# Allegro board Flatburn-main PCB.brd (continued)
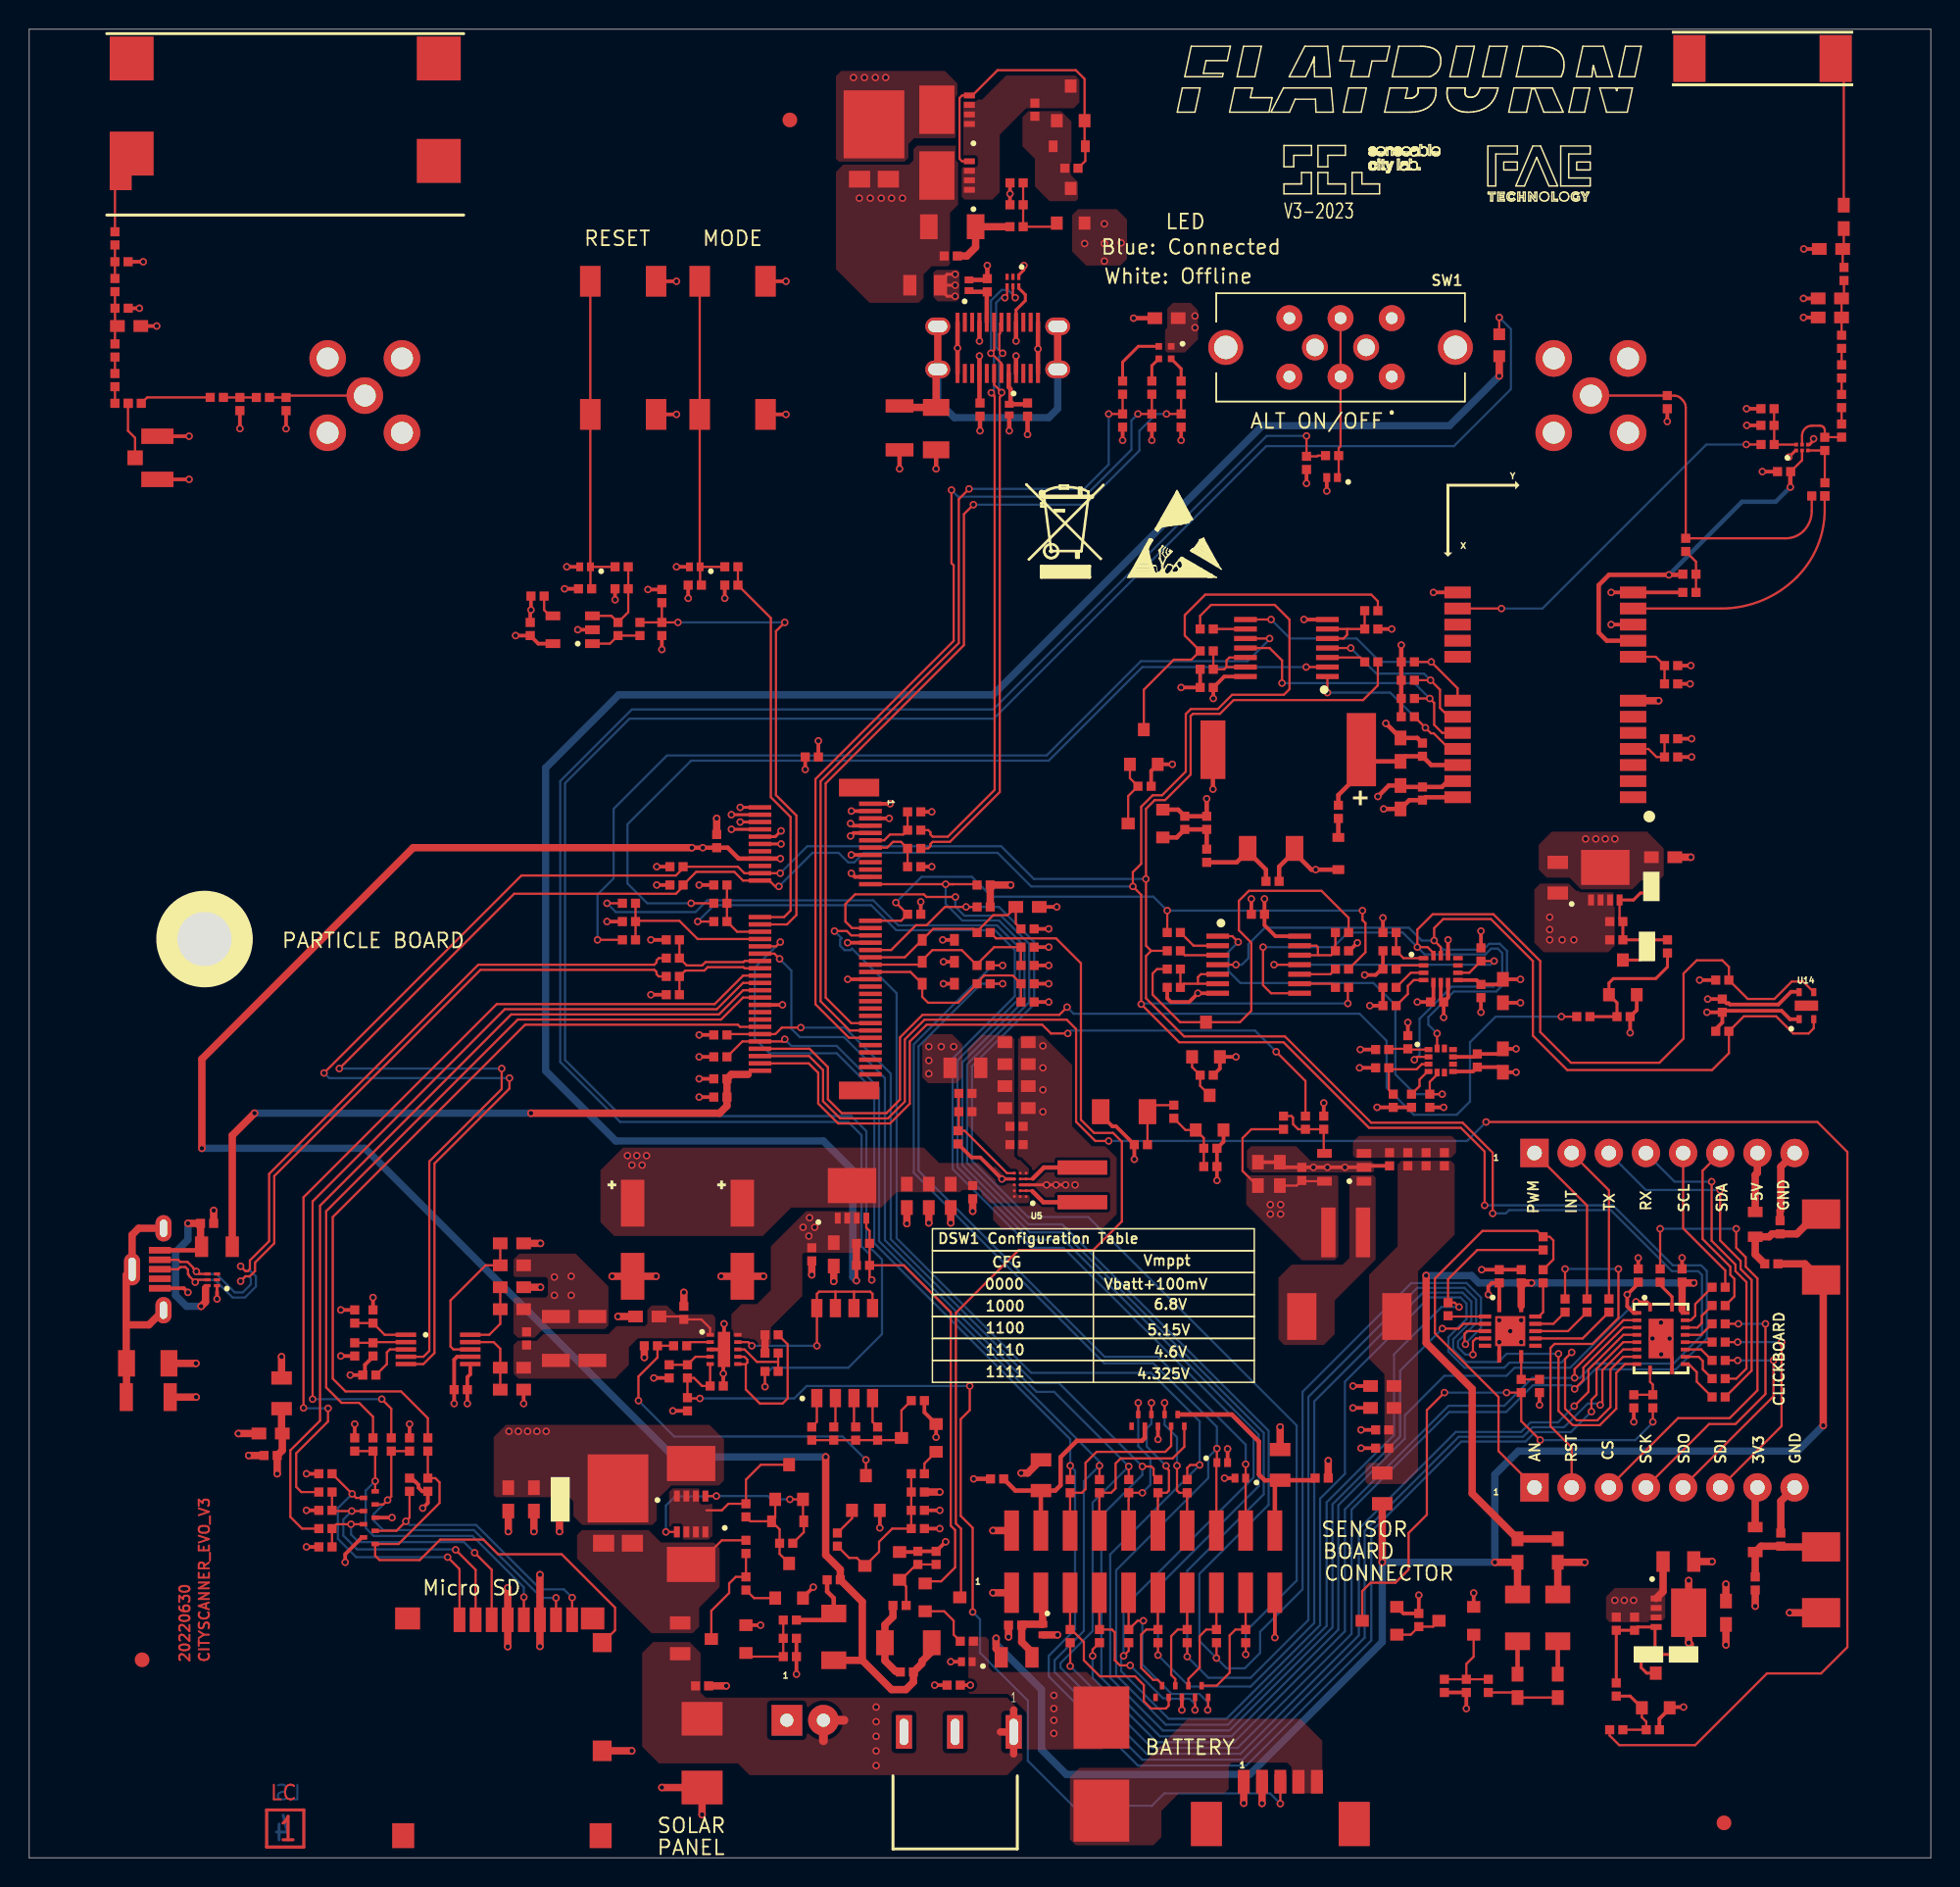
[diagram p0: board, top side]
## Routing (per net, layer and track width the routed paths; a pad name or vN(x,y) marks a point on that pad's centre or on a via; arc(x,y) is an arc through that point) (continued)
  BOTTOM w0.15: v1(118.7,36.5) v1(116.85,36.5)
UBUS_SOCKET_SCL: length 10.4
  TOP w0.15: J10.5 113.07,43.03 115.95,40.15 R36.2
UBUS_SOCKET_SDA: length 12.1
  TOP w0.15: R40.2 116.57,38.37 116.57,39.58 116.3,39.85 116.3,40.4 114.4,42.3 114.4,46.97 J10.6
UBUS_SOCKET_TX: length 20.8
  TOP w0.15: R47.2 116.7,32.75 117.4,33.45 117.4,39.35 116.65,40.1 116.65,40.55 115.02,42.18 v1(115.02,46.22)
  BOTTOM w0.15: J10.4 112.49,46.22 v1(115.02,46.22)
UBUS_TX: length 161.7
  TOP w0.15: v1(105.45,34.55) 105,34.1 105,30.7 105.8,29.9 107.2,29.9 108.1,30.8 108.1,33.38 108.97,34.25 109.91,34.25 U2.8 ; v1(74.82,13.8) 75.17,14.15 R25.1 ; R139.1 v1(45.7,64)
  BOTTOM w0.15: v1(105.45,34.55) 104.75,33.85 101.2,33.85 100.85,33.5 98.14,33.5 97.02,34.62 97.02,35.58 98.26,36.82 98.26,37.89 97.85,38.3 95.7,38.3 89.95,32.55 89.95,26.25 88.25,24.55 88.25,15.9 81.85,9.5 77.9,9.5 74.65,12.75 74.65,13.63 v1(74.82,13.8) 74.82,17.12 83.7,26 83.7,28.7 70.7,41.7 68.52,41.7 63.13,47.09 63.13,54.65 67.38,58.9 67.38,62.05 66.02,63.41 59.27,63.41 57.56,65.12 46.82,65.12 v1(45.7,64)
UBUS_VCC: length 47.1
  TOP w0.2: 113,37.46 U2.19
  TOP w0.5: v1(102.7,39.3) C18.1 U1.14 ; v1(95.5,39.8) 95.5,35.2 98.65,32.05 98.65,24.9 R33.1 R34.1 ; v1(113.8,39.3) 113.05,39.3 C16.1 113,37.46
  BOTTOM w0.5: v1(95.5,39.8) 98.6,39.8 99.1,39.3 v1(102.7,39.3) v1(113.8,39.3)
UC_MODE: length 27.3
  TOP w0.15: R124.2 C64.1 50.7,84.75 50.7,72.5 52.05,71.15 52.05,64.75 51.6,64.3 J12.32
UC_RST: length 34.8
  TOP w0.15: R125.2 R119.1 ; R119.1 v1(44.35,84.45) ; R119.1 C65.1 ; v1(51.65,84.45) 51.05,83.85 51.05,72.65 52.45,71.25 52.45,64.45 51.8,63.8 J12.34
  BOTTOM w0.15: v1(51.65,84.45) v1(44.35,84.45)
USB_D+: length 47.4
  TOP w0.15: v1(65.77,100.15) 65.85,100.15 65.95,100.05 65.95,99.95 66,99.9 66,73 62.8,69.8 61.76,69.8 61.61,69.95 61.61,70.1 61.46,70.25 R128.1 ; J6.B6 65.97,104.96 65.97,103.07 v1(65.75,102.85) 65.78,102.85 66.46,102.17 J6.A6 ; TVS3.5 67.25,106.8 67.4,106.65 v1(67.41,106.65)
  BOTTOM w0.15: v1(65.77,100.15) 65.81,100.15 65.96,100.3 65.96,102.64 v1(65.75,102.85) 65.75,106.45 66.48,107.18 66.92,107.18 67.41,106.69 v1(67.41,106.65)
USB_D-: length 46.4
  TOP w0.15: v1(66.7,106.65) 66.85,106.8 TVS3.4 ; J6.B7 66.37,104.88 66.37,104.21 66.32,104.16 66.32,103.08 v1(66.55,102.85) ; J6.A7 65.96,100.71 66.3,100.37 66.3,100.35 v1(66.48,100.17) 66.45,100.17 66.45,99.95 66.35,99.85 66.35,72.86 62.94,69.45 61.76,69.45 61.61,69.3 61.61,69.15 61.46,69 R131.1
  BOTTOM w0.15: v1(66.7,106.65) 66.45,106.65 66.1,106.3 66.1,103.25 66.5,102.85 v1(66.55,102.85) 66.31,102.61 66.31,100.34 66.45,100.2 66.45,100.17 v1(66.48,100.17)
USB_MODEM_D+: length 52.3
  TOP w0.15: R132.2 43.04,61.5 42.89,61.35 42.89,61.2 42.74,61.05 30.7,61.05 16.4,46.75 16.4,42.15 15.08,40.84 15.08,40.25 14.94,40.1 14.78,40.1 v1(14.45,40.44) ; TVS6.5 11.51,39.51 v1(11.35,39.35) 10.92,39.78 10.92,39.83 10.85,39.9 10.85,40.2 10.67,40.38 10.33,40.38 10.18,40.23 J8.3
  BOTTOM w0.15: v1(14.45,40.44) 14.78,40.1 15.14,40.1 15.5,39.75 15.5,39.05 14.75,38.3 13.9,38.3 12.7,39.5 11.6,39.5 11.45,39.35 v1(11.35,39.35)
USB_MODEM_D-: length 50.8
  TOP w0.15: v1(14.45,39.42) 14.78,39.75 15.08,39.75 15.44,40.11 15.44,40.69 16.75,42.01 16.75,46.61 30.84,60.7 42.74,60.7 42.89,60.55 42.89,60.4 43.04,60.25 R134.2 ; TVS6.4 11.59,39.91 v1(11.43,40.08) 11.2,40.3 11.2,40.35 10.82,40.73 10.33,40.73 10.18,40.88 J8.2
  BOTTOM w0.15: v1(11.43,40.08) 11.4,40.08 11.4,40.05 11.55,40.05 11.7,39.9 12.8,39.9 14.05,38.65 14.6,38.65 15.15,39.2 15.15,39.6 15,39.75 14.78,39.75 v1(14.45,39.42)
USD_SPI_CD: length 54.7
  TOP w0.15: R175.1 27.25,30.05 25.42,31.88 21.62,31.88 20.75,32.75 20.75,43.8 33.9,56.95 48.45,56.95 48.6,56.8 49.95,56.8 J12.62
USD_SPI_CS: length 61.6
  TOP w0.15: v1(18.75,30.75) 18.75,45.15 31.96,58.36 46.86,58.36 48.8,60.3 J12.48 ; R168.1 18.6,25 18.25,25.35 18.25,27.65 20.42,29.82 20.42,30.7 20.4,30.73 v1(20.43,30.73)
  BOTTOM w0.15: v1(18.75,30.75) 18.77,30.73 v1(20.43,30.73)
USD_SPI_MISO: length 57.9
  TOP w0.15: v1(19.37,31.35) 19.37,44.87 32.51,58.01 47,58.01 48.8,59.8 J12.50 ; R174.1 24.75,30.7 v1(24.1,31.35)
  BOTTOM w0.15: v1(19.37,31.35) v1(24.1,31.35)
USD_SPI_MOSI: length 60.6
  TOP w0.15: R169.1 18.65,22.5 17.85,23.3 17.85,27.85 19.88,29.88 19.88,44.58 32.95,57.65 47.15,57.65 48.8,59.3 J12.52
USD_SPI_SCK: length 53.2
  TOP w0.15: J12.54 48.8,58.8 47.3,57.3 33.4,57.3 20.3,44.2 20.3,32.15 21.35,31.1 22.55,31.1 23.5,30.15 R170.1
VCHARGER:
  vias: v1(32.8,29.15) v1(33.44,29.15) v1(34.07,29.15) v1(34.7,29.15) v1(35.34,29.15) v1(35.9,39.7) v1(35.9,38.45) v1(37.05,39.75) v1(37.05,38.45) v1(56.35,121.7) v1(57.1,121.7) v1(57.85,121.7) v1(58.55,121.7)
VSOLAR: length 4.4
  TOP w0.15: Q1.5 45.7,20.05 47.35,21.7 R1.2
VSOLAR#: length 11.9
  TOP w0.503: 66.4,8.6 J2.1 ; J2.1 67.3,7.1 ; J2.1 67.3,10.1
  TOP w0.603: 55.7,9.4 J1.2 54.3,8
  POWER w0.503: 67.3,7.1 J2.1 66.4,8.6
  POWER w0.603: 55.7,9.4 J1.2 54.3,8
  vias: v1(57.9,10.3) v1(57.9,9.3) v1(57.9,8.3) v1(57.9,7.3) v1(57.9,6.3)
VUSB: length 128
  TOP w0.3: v1(45.3,69.05) v1(46.05,69.05) C71.1 47.75,69.05 48.5,68.3 J12.16 v1(51.35,68.3)
  TOP w0.5: v1(54.45,27.4) 54.45,20.7 55.45,19.7 R2.2 56.95,17.5 56.95,13.5 ; DZ5.1 61.7,14.1 61.03,13.43 61.03,13.28 R78.2 60.45,12.01 59.93,11.5 58.95,11.5 56.95,13.5 ; 56.95,13.5 DZ1.1 ; v1(45.3,69.05) 26.25,69.05 11.8,54.6 v1(11.8,48.5)
  BOTTOM w0.5: v1(11.8,48.5) 22.95,48.5 44.05,27.4 v1(54.45,27.4)
  vias: v1(56.75,113.45) v1(57.5,113.45) v1(58.25,113.45) v1(58.95,113.45) v1(59.7,113.45)
VUSB#: length 13.9
  TOP w0.2: L2.1 62.3,107.2 62.75,106.75 v1(63.3,106.75) ; L2.1 62.3,107.8 62.75,108.25 v1(63.3,108.25) ; L2.1 v1(63.3,107.5) ; J6.B9 67.46,105.81 68.1,106.45 68.1,106.85 67.65,107.3 TVS3.6
  TOP w0.3: J6.A4 v1(67.46,102.66) ; J6.B9 v1(67.46,103.69) ; v1(64.96,102.66) J6.A9 64.96,99.49 C7.1 ; J6.B4 v1(64.96,103.69)
VUSB_MODEM: length 46.6
  TOP w0.1: J12.74 49.4,53.8 49.15,53.55
  TOP w0.5: v1(34.3,50.9) 47.2,50.9 47.7,51.4 R146.2 C75.1 48,53.55 49.15,53.55 ; L4.2 13.88,49.38 v1(15.4,50.9)
  BOTTOM w0.5: v1(34.3,50.9) v1(15.4,50.9)
VUSB_MODEM#: length 14.4
  TOP w0.2: 12.05,38.95 12.19,39.09 TVS6.6
  TOP w0.3: J8.1 11.54,41.53
  TOP w0.5: 11.54,41.53 L4.1 11.71,41.84 C13.1 v1(10.85,43.37) ; v1(11.75,37.7) 12.05,38 12.05,38.95
  BOTTOM w0.5: v1(10.85,43.37) 10.85,42.25 10,41.4 10,38.45 10.75,37.7 v1(11.75,37.7)
N16742457: length 7.9
  TOP w0.15: Q3.3 50.02,26.87 49,25.85 R3.1 47.8,24.2 47.35,23.75 46.3,23.75
N16744908: length 24.8
  TOP w0.5: R15.2 59.6,99.15 C6.2 62,101.64 J6.11 J6.13 ; J6.12 J6.10
  BOTTOM w0.5: J6.11 62.11,99.59 63.25,98.45 69.7,98.45 70.31,99.06 J6.10
N16755571: length 3.4
  TOP w0.3: J6.B5 65.46,107.01 R16.2 64.33,107.05 TVS5.1
N16755841: length 3.5
  TOP w0.3: J6.A5 66.96,100.54 67.08,100.42 67.08,99.45 TVS4.1 68.16,99.37 R14.2
N16763959: length 3.2
  TOP w0.15: R71.1 24.45,33.75 24.45,34.55 24.65,34.75 U4.3
N16763966: length 3.5
  TOP w0.15: R92.2 R72.1 23.55,35.25 U4.2
N16763970: length 3.8
  TOP w0.15: U4.1 24.3,35.75 R73.1 R93.2
N16764353: length 10.5
  TOP w0.15: U4.8 29,34.75 28.8,34.95 28.8,38.1 31.2,40.5 R74.1 C31.1
N16764357: length 5
  TOP w0.15: C35.1 R76.1 32.2,34.8 31.75,35.25 U4.9
N16764361: length 4.9
  TOP w0.15: U4.10 31.45,35.75 32.2,36.5 R75.1 C34.1
N16765000: length 4.3
  TOP w0.15: C25.1 44.55,37 C26.1 45.95,36.8 46.55,36.2 U3.1
N16766251: length 16.6
  TOP w0.5: R31.2 6.65,31.51 C12.2 6.63,33.82 6.63,36.43 ; 6.63,36.43 6.63,39.83 J8.8 7.03,42.58 7.48,43.03 J8.6 ; 6.63,36.43 8.18,36.43 J8.7
N16771181: length 5.1
  TOP w0.15: R97.1 85.76,50.71 86.29,50.71 86.4,50.6 86.4,50.15 86.75,49.8 R102.1 R105.2 88.5,48.2 U6.4
N16779224: length 4.6
  TOP w0.15: 68.61,46.43 68.58,46.4 U5.D1 U5.D2
  TOP w0.3: L8.1 69.37,47.19 68.61,46.43
N16779242: length 4.6
  TOP w0.15: 68.58,45.57 68.55,45.6 U5.B1 U5.B2
  TOP w0.3: 68.58,45.57 69.33,44.82 L8.2
N16781804: length 7.6
  TOP w0.15: R96.1 C38.1 63.55,49.75 R103.2 63.95,49.7 66.85,46.8 U5.E3
N16788090: length 11.4
  TOP w0.15: 48.99,33.74 48.99,32.01 49.95,31.05 51.5,31.05 51.85,31.4 51.85,35.1 R63.1 ; 48.99,33.74 49.09,33.84 49.09,34.06 48.9,34.25 U3.7 ; 48.99,33.74 48.46,33.74 U3.6
N16789205: length 16.2
  TOP w0.15: 56.38,38.7 57.5,38.7 57.65,38.55 57.65,37.58 DSW1.5 ; 56.38,38.7 55.11,38.7 ; 56.38,38.7 DSW1.6 ; 55.11,38.7 54,38.7 53.84,38.55 DSW1.8 53.85,37.57 v1(53.85,35) ; 55.11,38.7 DSW1.7 ; v1(49.4,35) 49.15,35.25 U3.9
  BOTTOM w0.15: v1(49.4,35) v1(53.85,35)
N16789342: length 2.1
  TOP w0.15: DSW1.1 53.84,29.79 R79.2
N16789347: length 2
  TOP w0.15: DSW1.2 55.11,29.57 R82.2
N16789356: length 2
  TOP w0.15: DSW1.3 56.38,29.57 R83.2
N16789368: length 2.1
  TOP w0.15: R84.2 57.66,29.79 DSW1.4
N16791240: length 9
  TOP w0.15: R91.2 59.63,30.58 Q16.3 59.48,28.55 R84.1 R83.1 R82.1 R79.1
N16795124: length 1.7
  TOP w0.15: R69.2 45.2,35.25 U3.2
N16797422: length 3
  TOP w0.15: U3.4 45.55,34.25 R70.2 C27.1
N16810474: length 10.8
  TOP w0.15: R88.2 R81.2 R94.2 C37.1 59,22.5 58.1,21.6 58.1,20.92 Q15.3 56.58,20.5 56.05,20.5 R89.1
N16818664: length 11
  TOP w0.15: TVS12.1 89.52,94.44 R77.1 89.52,96.37 89.65,96.49 SW1.2 SW1.5
N16824148: length 23.7
  TOP w0.15: R69.1 R85.2 42.95,34.2 41.65,32.9 v1(41.65,31.25) ; v1(57.2,27.2) Q14.3
  BOTTOM w0.15: v1(57.2,27.2) 55.6,28.8 44.1,28.8 v1(41.65,31.25)
N16829740: length 9.8
  TOP w0.2: C106.2 R257.2 111.15,15.7 Q17.4 109.97,15.78 C58.1 R108.2 R110.2
N16830191: length 8.2
  TOP w0.15: Q18.4 108.72,64.22 C59.1
  TOP w0.2: C105.2 110.15,65.95 109.67,65.48 Q18.4 ; R112.2 R256.2 R109.2 C59.1
N16831120: length 5.3
  TOP w0.15: R111.2 R114.2 110.55,9.3 110.25,9.6 Q20.1
  TOP w0.2: Q20.1 109.45,11.05 R110.1
N16831197: length 9.8
  TOP w0.2: R113.2 R115.2 108.55,58.45 Q19.1 108,59.8 108.3,60.1 111.2,60.1 112,60.9 R112.1
N16838473: length 6.4
  TOP w0.5: DS5.1 119.8,21.25 C19.2 118.4,21.3 F2.2 R61.2
N16838692: length 7.3
  TOP w0.5: R62.2 118,41.25 F3.1 118.95,42.45 119.15,42.65 C20.1 120.85,42.65 122.2,44 DS6.1
N16842202: length 4.1
  TOP w0.15: C68.1 R131.2 59.6,69.45 59.05,69.45 58.65,69.05 J12.13
N16842214: length 4.1
  TOP w0.15: C67.1 R128.2 59.75,69.95 58.84,69.95 58.45,69.55 J12.11
N16846008: length 22.5
  TOP w0.15: PB2.3 PB2.4 45.84,88.28 TVS14.1 ; R116.1 45.86,87.09 TVS14.1 ; TVS14.1 R124.1
N16850582: length 6
  TOP w0.15: U7.3 39.8,84.9 R117.1 40.95,85.15 C63.1 R129.1
N16850584: length 22.7
  TOP w0.15: TVS13.1 R129.2 ; TVS13.1 38.36,86.84 R118.1 ; TVS13.1 38.36,88.26 PB1.4 PB1.3
N16850996: length 1.7
  TOP w0.15: U7.4 35.6,84.9 35.2,85.3 R130.2
N16851400: length 3.5
  TOP w0.15: R125.1 R117.2 39.7,83 U7.1
N16857926: length 53.5
  TOP w0.25: v1(26.9,23.9) 27.25,24.25 R164.2 26.86,25.05 26.61,25.3 26.61,25.49 26.44,25.66 26.15,25.95 R163.2 ; TVS15.9 22.75,21.9 21.6,20.75 v1(21.6,20.2) ; R159.2 v1(18.95,23.75) ; R161.2 v1(22.25,29.65) ; R160.2 v1(18.95,21.25) ; R162.2 v1(26,29.65) ; R158.2 v1(18.95,26.25)
  TOP w0.5: v1(32.71,14.44) J13.4 v1(32.71,18.45) ; L9.2 17.25,29.05 C80.1 17.3,27.85 C79.1 v1(16.95,26.25)
  POWER w0.5: v1(16.95,26.25) v1(18.95,26.25) ; v1(18.95,26.25) v1(18.95,23.75) v1(18.95,21.25) 20,20.2 v1(21.6,20.2) ; v1(18.95,26.25) 18.95,28 20.6,29.65 v1(22.25,29.65) v1(26,29.65) 26.9,28.75 v1(26.9,23.9) 29.6,23.9 32.71,20.79 v1(32.71,18.45)
N16862250: length 18.9
  TOP w0.15: J13.1 29.41,19.74 v1(28.6,20.55) ; TVS15.6 22.35,24.6 v1(22.08,24.88) R158.1
  BOTTOM w0.15: v1(28.6,20.55) 22.35,20.55 21.1,21.8 21.1,23.9 v1(22.08,24.88)
N16862253: length 18.8
  TOP w0.15: R168.2 R159.1 20.75,23.7 v1(22.05,23.7) TVS15.7 ; J13.2 30.51,19.69 v1(29.15,21.05)
  BOTTOM w0.15: v1(29.15,21.05) 29.12,21.08 22.42,21.08 21.47,22.03 21.47,23.12 v1(22.05,23.7)
N16862256: length 18.3
  TOP w0.15: TVS15.8 v1(22,22.8) 21,22.8 R169.2 R160.1 ; v1(30.45,20.85) 31.61,19.69 J13.3
  BOTTOM w0.15: v1(30.45,20.85) 29.72,21.58 22.52,21.58 22,22.1 v1(22,22.8)
N16862259: length 22.2
  TOP w0.15: TVS15.5 v1(23.65,25.75) 23.65,27.65 R170.2 R161.1 ; J13.5 v1(33.81,17.81)
  BOTTOM w0.15: v1(33.81,17.81) 33.81,18.49 30.3,22 23.55,22 23,22.55 23,25.1 v1(23.65,25.75)
N16862262: length 23.6
  TOP w0.15: R162.1 R174.2 24.75,24.7 v1(24.5,24.45) 24.2,24.15 TVS15.4 ; J13.7 v1(36.01,17.76)
  BOTTOM w0.15: v1(36.01,17.76) 35.03,17.76 30.39,22.4 24.2,22.4 23.55,23.05 23.55,23.5 v1(24.5,24.45)
N16862265: length 19.6
  TOP w0.15: J13.8 v1(37.11,17.79) ; R163.1 26,23.25 v1(25.75,23) 25.1,22.35 TVS15.2
  BOTTOM w0.15: v1(25.75,23) 26,22.75 30.55,22.75 34.95,18.35 36.55,18.35 v1(37.11,17.79)
N16862268: length 32.3
  TOP w0.15: R175.2 R164.1 27.76,25.95 28.05,25.66 28.05,24.25 25.25,21.45 TVS15.1 23.65,20.65 23.95,20.35 26.7,20.35 28.1,21.75 31.05,21.75 32.05,20.75 36.4,20.75 40.05,17.1 40.05,15.55 39.21,14.71 J13.9
N16863101: length 7.1
  TOP w0.15: J12.44 48.91,61.3 48.83,61.23 46.23,61.23 46,61 44.95,61 R132.1 C70.1
N16863104: length 7
  TOP w0.15: C69.1 R134.1 44.85,60.65 46.15,60.65 46.38,60.88 48.83,60.88 48.91,60.8 J12.46
N16884438: length 13.3
  TOP w0.15: R143.2 67.45,63.85 C72.1 66.88,64.44 65.9,64.44 64.8,63.33 R133.2 64.55,63.5 61.8,63.5 DS9.2 59.85,61.55 J12.43
N16884441: length 13
  TOP w0.15: R144.2 C73.1 65.97,62.25 64.8,61.08 R135.2 63.75,62.05 61.75,62.05 61.05,61.35 DS8.2 60.85,61.05 J12.45
N16904182: length 3.8
  TOP w0.15: Q8.2 62.55,16.85 63.2,16.2 63.2,15.25 R8.1
N16927679: length 1.1
  TOP w0.15: C81.1 R179.2
N16927743: length 3.9
  TOP w0.15: R180.2 6.75,99.42 6.75,97.55 7.23,97.07 J15.1
N16927747: length 1.1
  TOP w0.15: C81.2 5.86,101.47 L10.1
N16927751: length 3.7
  TOP w0.15: C82.1 5.86,105.93 C83.2 5.86,104.88 L12.1 5.86,104.55 L10.2
N16927759: length 2.3
  TOP w0.15: C82.2 5.86,107.97 L13.1 5.86,109.11 L11.1
N16927765: length 5.3
  TOP w0.15: L11.2 5.86,114.86 ANT1.1
N16927819: length 6.6
  TOP w0.15: J14.1 17.69,99.96 TVS16.1 R244.2
N16937709: length 5.7
  TOP w0.15: R206.2 R211.2 90.1,84 ; 90.1,84 90.1,83.6 89.85,83.35 U11.5 ; 90.1,84 U11.6
N16937718: length 5.3
  TOP w0.15: 81.85,81.4 81.7,81.25 R212.2 R197.2 ; 81.85,81.4 U11.13 ; 81.85,81.4 81.85,81.85 82.05,82.05 U11.12
N16939871: length 2.2
  TOP w0.15: U11.9 R209.2
N16941848: length 1.3
  TOP w0.3: R189.2 DS11.1
N16941882: length 17.8
  TOP w0.15: MOD1.11 115.67,85.4 arc(118.47,85.96) 120.84,87.54 arc(122.25,89.66) 122.75,92.15 122.75,93.08 R184.1
N16941886: length 3.4
  TOP w0.15: R184.2 122.76,94.01 R241.1 U16.3
N16941922: length 3.6
  TOP w0.15: MOD1.8 111.2,82.1 R181.1 C90.1
N16942023: length 26.6
  TOP w0.15: J16.1 106.77,99.96 TVS17.1 112,99.95 112.5,99.95 arc(112.72,99.91) 112.9,99.78 113.04,99.64 arc(113.2,99.41) 113.25,99.14 L15.2 120.09,90.2 arc(120.75,90.33) 121.3,90.7 arc(121.72,91.33) 121.86,92.06 R190.2
N16942061: length 11.8
  TOP w0.3: R189.1 89.5,72.65 91.07,74.23 C85.1 91.88,74.95 C86.1 94.1,75.3 C87.1 95.85,74.7 MOD1.22
N16942065: length 3.1
  TOP w0.15: C84.1 R191.2 113.95,88.6 L15.1
N16942169: length 3.6
  TOP w0.15: MOD1.4 110.7,75.8 111.25,75.25 R183.1 R255.2
N16949144: length 5.7
  TOP w0.15: 88.15,61.7 88.1,61.75 88.1,62.25 88,62.35 U15.13 ; 88.15,61.7 U15.12 ; 88.15,61.7 89,61.7 R235.2 R225.2
N16949201: length 27.8
  TOP w0.15: R230.1 77.1,60.75 76.8,60.45 76.8,59 78.68,57.12 Q24.3 82.77,57.12 83.55,57.9 83.55,62.55 82.7,63.4 82.7,65.42 83.38,66.1 88.35,66.1 90.2,64.25 R225.1
N16949203: length 5.8
  TOP w0.15: 79.9,59.75 79.9,60.2 80.1,60.4 U15.5 ; 79.9,59.75 78.95,59.75 R233.2 R230.2 ; 79.9,59.75 U15.6
N16951290: length 3.3
  TOP w0.15: R214.1 R221.2 93.95,61.5 U13.1
N16951627: length 2
  TOP w0.15: U13.2 93.7,61 R222.2
N16951632: length 2.3
  TOP w0.15: R223.2 94.45,60.5 U13.3
N16951637: length 2.9
  TOP w0.15: U13.4 94.65,60 94.25,59.6 94.25,59.05 R220.2
N16955182: length 2.7
  TOP w0.15: R202.2 91,82.05 U11.3
N16961764: length 25.2
  TOP w0.15: Q22.3 76.2,79.85 78.25,81.9 79.45,81.9 R197.1 79,83.55 79,84.95 80.4,86.35 91.75,86.35 92.2,85.9 R206.1
N16962600: length 2.6
  TOP w0.15: R231.2 89.05,59.75 U15.9
N16963064: length 2.7
  TOP w0.15: U15.3 79,61.7 R226.2
N16963127: length 2.9
  TOP w0.15: R224.1 79.6,62.35 U15.2
N16964016: length 3.1
  TOP w0.15: R59.2 R54.1 111,32.34 110.81,32.53 U2.10
N16970677: length 5.9
  TOP w0.3: 83.3,68.8 84.55,67.55 R204.1 ; 83.3,68.8 82.55,68.05 R210.2 ; 83.3,68.8 DZ6.2
N16970681: length 4.6
  TOP w0.15: Q23.3 75.13,72.58 R208.1 75.25,73.8 Q22.1
N16970726: length 4.6
  TOP w0.3: Q23.1 78.45,69.75 C92.2 R213.1 R210.1
N16974349: length 4.2
  TOP w0.15: R228.1 DZ7.2 76.9,51.45 R234.2
N16974369: length 3.1
  TOP w0.15: Q25.3 80.05,52.77 R232.1 79.5,54.05 Q24.1
N16974408: length 4.6
  TOP w0.15: C100.2 R236.1 80.3,49.2 Q25.1 79.05,49.75 R234.1
N16978201: length 2.2
  TOP w0.3: DZ4.2 R48.1
N16978206: length 4.9
  TOP w0.15: R51.2 101.4,11.3 R49.2 R48.2
N16978209: length 2.2
  TOP w0.3: DZ3.2 R49.1
N16978418: length 6.3
  TOP w0.15: Q12.1 98.75,13.75 98.25,13.25 C14.2 ; C14.2 R57.1 ; C14.2 R51.1
N16978421: length 3.3
  TOP w0.15: Q11.1 94.45,15.25 R37.1 95.98,15.8 Q12.3
N16981159: length 3.2
  TOP w0.15: R36.1 113.9,37.85 113.9,37.05 113.59,36.75 U2.18
N16981166: length 2.8
  TOP w0.15: R40.1 114.35,37.05 114.35,36.55 114.05,36.25 U2.17
N16981173: length 2.2
  TOP w0.15: R42.1 114.3,35.75 U2.16
N16981180: length 1.8
  TOP w0.15: R44.1 115.05,35.25 U2.15
N16981187: length 2.2
  TOP w0.15: U2.14 114.3,34.75 114.3,34.75 R46.1
N16981194: length 2.8
  TOP w0.15: R47.1 114.42,33.38 114.42,33.96 114.13,34.25 U2.13
N16981201: length 3.2
  TOP w0.15: R50.1 114,32.55 114,33.2 113.45,33.75 113.44,33.75 U2.12
N16986701: length 5.2
  TOP w0.5: R12.1 64.1,109.5 64.7,110.1 DZ2.2 R13.2
N16986752: length 5.4
  TOP w0.15: C8.2 R17.2 R13.1 70,111.5 Q10.1
N16987946: length 1.8
  TOP w0.15: Q16.1 61.2,26.95 R88.1
N16989495: length 5.4
  TOP w0.5: R78.1 59.45,12.7 59.4,12.75 59.22,12.75 58.5,13.47 DZ5.2 58.5,15.93 59.05,16.48 R87.2
N16989700: length 4.9
  TOP w0.15: R87.1 59.95,18.55 Q15.1 59.6,19 60.65,20.05 R90.2 C33.1
N16991243: length 2
  TOP w0.15: Q14.1 56.25,23.2 R89.2
N16993988: length 5.2
  TOP w0.3: R5.2 54.55,16.25 DZ1.2 55,17.75 54.55,18.2 R2.1
N16994035: length 5.2
  TOP w0.15: R5.1 R7.2 C5.2 49.25,13.75 Q4.1
N16995148: length 7.2
  TOP w0.15: Q4.3 46.63,16.88 47.85,18.1 47.85,18.75 48.3,19.2 R6.2 R1.1
N16995522: length 2.2
  TOP w0.15: Q5.1 49.55,17.75 R6.1
N16997120: length 16.4
  TOP w0.15: Q2.4 v1(46.97,24.73) ; Q1.4 v1(43.52,22.27) ; R4.2 52.95,22.25 DS2.2 52.9,23.05 Q3.2 v1(52,24.5)
  BOTTOM w0.15: v1(52,24.5) 50.72,24.5 50.5,24.73 v1(46.97,24.73) 46.95,24.7 44.15,24.7 43.52,24.07 v1(43.52,22.27)
N16997331: length 6.9
  TOP w0.15: Q5.3 51.3,20.77 R4.1 51.3,22.45 DS2.1 ; Q3.1 51,23.25 DS2.1 ; DS2.1 49.3,23 R3.2
N16997631: length 20.8
  TOP w0.15: R11.2 72.2,116 DS4.2 72.15,117.05 Q9.2 72.15,121.6 71.55,122.2 66.2,122.2 64.47,120.48 Q7.4 63.77,120.48 63.6,120.3 63.6,116.15 63.77,115.98 Q6.4
N17007889: length 2
  TOP w0.2: U2.20 112.31,38.35 111.5,39.16 R32.1
N17010397: length 2.8
  TOP w0.15: U1.8 R53.1 R60.2
N17011006: length 2.5
  TOP w0.15: U1.2 97.05,37 R38.2
N17011572: length 149.1
  TOP w0.15: R67.1 v1(50.3,32.2) ; v1(100.5,105.3) LD1.1
  BOTTOM w0.15: v1(50.3,32.2) 50.3,33 50.8,33.5 56,33.5 58.3,35.8 58.3,40.9 57.23,41.97 57.23,49.67 56.2,50.7 40.47,50.7 36.63,54.54 36.63,73.46 41.04,77.87 65.94,77.87 84.57,96.5 97.4,96.5 101.3,100.4 101.3,104.5 v1(100.5,105.3)
N17014997: length 14
  TOP w0.15: C74.1 R145.2 67.23,60.32 65.28,60.32 64.8,59.83 R136.1 63.5,58.45 61.45,58.45 61.05,58.85 DS10.2 60.25,60.55 J12.47
N17017813: length 2.6
  TOP w0.15: R39.1 103.5,37.3 103.2,37 U1.13
N17017816: length 2.4
  TOP w0.15: R41.1 104.2,36.5 U1.12
N17017819: length 4.1
  TOP w0.15: U1.11 105.2,36 R43.1
N17017822: length 5.8
  TOP w0.15: R45.1 106.2,35.5 U1.10
N17029303: length 1.8
  TOP w0.2: R176.2 78.75,101.8 LD2.2
N17029359: length 1.7
  TOP w0.2: LD2.3 76.75,102 R177.1
N17029361: length 4.2
  TOP w0.2: R178.1 74.75,102.25 75.82,103.32 LD2.4
N17074950: length 4.4
  TOP w0.15: R64.1 51.2,33.9 ; 51.2,33.9 R67.2 ; 51.2,33.9 49.75,33.9 48.9,34.75 U3.8
N17091027: length 1.1
  TOP w0.15: C102.1 L17.2
N17091030: length 4.4
  TOP w0.15: U16.5 121.2,97.22 arc(121.4,97.7) 121.88,97.9 122.42,97.9 arc(122.55,97.87) 122.67,97.8 arc(122.73,97.7) 122.76,97.58 R241.2 122.76,97.11 L17.1
N17092927: length 4
  TOP w0.15: R243.1 119.29,99.06 R240.2 119.3,97.92 R242.2 119.3,96.61 U16.6
N17094276: length 1.1
  TOP w0.15: C102.2 123.91,100.04 L18.1
N17094279: length 1.1
  TOP w0.15: L18.2 123.91,102.06 L21.1
N17094282: length 10.3
  TOP w0.15: L14.2 124.05,122.45 ANT2.1
N17094290: length 2.7
  TOP w0.15: L14.1 124.05,110.06 L16.1 123.98,108.81 C104.2
N17112503: length 4.9
  TOP w0.15: R245.1 8.06,99.83 R180.1
N17112506: length 2.3
  TOP w0.15: R245.2 13.28,99.83 R246.1 14.4,99.83 R244.1
N17129954: length 4.8
  TOP w0.15: C103.1 92.95,52.5 R252.2 93.05,53.9 94.85,53.9 95.2,54.25 U12.3
N17130209: length 2.1
  TOP w0.15: R251.1 95.05,52.75 95.05,53.2 95.6,53.75 U12.4
N17131654: length 2.8
  TOP w0.15: U12.1 94.3,55.25 R253.1 93,55.3 R254.2
N17134415: length 2.6
  TOP w0.15: U15.10 88.95,60.4 R218.2
N17220254: length 3.8
  TOP w0.15: L21.2 123.9,104.09 L20.1 L19.1 124.07,106.76 C104.1
N17269297: length 1.8
  TOP w0.2: Q19.3 110.12,61.37 R256.1
N17270876: length 2.1
  TOP w0.2: Q20.3 110.58,12.62 110.2,13 110.2,13.85 R257.1

## Copper pours and planes (outline as drawn; the poured copper is in the pictures)
3V3 on TOP: 61.45,52.95 63.4,52.95 63.8,53.35 63.8,55.6 63.1,56.3 61.7,56.3 61.05,55.65 61.05,53.35
3V3 on TOP: 77.8,102.9 79,102.9 79.9,103.8 79.9,105.8 79.4,106.3 78.2,106.3 77.8,105.9 77.8,104.6 77.65,104.45 77.65,103.05
3V3 on TOP: 108.05,16.1 110.65,16.1 110.8,16.25 111.7,16.25 111.85,16.4 111.85,18.2 111.6,18.45 108.4,18.45 107.8,17.85 107.8,16.35
3V3 on TOP: 103.3,66.6 105.25,66.6 105.75,66.1 108.15,66.1 108.4,65.85 108.4,62.35 107.95,61.9 103.55,61.9 102.9,62.55 102.9,66.2
3V3 on POWER: 5.5,0.5 5.5,124.5 124.5,124.5 124.5,0.5 ; 2 cut-outs
3V3# on POWER: 67.45,25.95 67.45,27.4 77.1,27.4 87.7,16.8 111.25,16.8 112.4,17.95 112.4,18.3 111.3,19.4 105.95,19.4 105.35,20 105.35,21.15 106.6,22.4 120.5,22.4 122.2,24.1 122.2,49.35 121.2,50.35 80.95,50.35 77.55,46.95 74.75,46.95 73.8,47.9 73.8,52.2 75.6,54 83,54 91.35,62.35 91.35,67.2 93.25,69.1 96.7,69.1 101.3,64.5 101.3,62.8 103.1,61 124.5,61 124.5,13.4 80,13.4
3V3_GPS on TOP: 103.2,67.55 103.2,69.25 104.1,70.15 110.6,70.15 111.75,69 111.75,67.15 111.4,66.8 110.2,66.8 109.6,66.2 106.1,66.2 105.3,67 103.75,67
3V3_GPS on POWER: 94.3,68.95 113.4,68.95 115,70.55 115,89.6 118.05,92.65 118.05,99.65 116.35,99.65 105.9,89.2 91.85,89.2 84.8,82.15 84.8,68.7 86.7,66.8 92.15,66.8
GND_ANALOG on GND: 64.1,11.5 64.1,13.5 69.3,13.5 71.5,15.7 71.5,55.25 65.45,61.3 61.25,61.3 59.1,59.15 55.55,59.15 53.65,61.05 53.65,72.25 52.55,73.35 52.55,74.65 52.8,74.9 53.9,74.9 55.35,73.45 55.35,65.4 56.8,63.95 66.85,63.95 68.65,65.75 70.95,65.75 73.45,63.25 73.45,12.75 71.7,11 64.6,11
GND_DIGITAL on TOP: 83.25,47.2 83.25,48.35 83.55,48.65 86.6,48.65 87.6,47.65 91.75,47.65 91.95,47.45 91.95,46.95 91.85,46.85 83.6,46.85
GND_DIGITAL on TOP: 67.6,49.05 67.6,55.95 67.85,56.2 69.3,56.2 71.3,54.2 71.3,50 72.65,48.65 73.55,48.65 74.35,47.85 74.35,44 73.25,42.9 66.6,42.9 65.9,43.6 65.9,47.35
GND_DIGITAL on TOP: 71.3,109.8 71.3,112.3 71.7,112.7 74.35,112.7 75.05,112 75.05,109.3 74.6,108.85 72.25,108.85
GND_DIGITAL on GND: 5.5,0.5 5.5,124.5 124.5,124.5 124.5,0.5 ; 2 cut-outs
VBAT on TOP: 53.1,44.2 56.75,44.2 56.8,44.15 56.8,41.5 56.65,41.35 52.95,41.35 52.85,41.25 52.85,38.4 50.7,36.25 50.7,35.15 50.5,34.95 49.35,34.95 48.8,35.5 48.3,35.5 48,35.8 48,37.15 48.7,37.85 49.75,37.85 50.7,38.8 50.7,41.8
VBAT on TOP: 73.4,7.4 68.2,7.4 68.2,9.9 66.9,11.2 64.3,11.2 64.2,11.3 64.2,14.9 64.4,15.1 65.4,15.1 65.6,14.9 65.6,13 65.9,12.7 72.3,12.7 73.4,11.6
VBAT on POWER: 71.45,8 70,8 63.5,14.5 63.5,22.45 61.7,24.25 61.7,26.05 61.9,26.25 61.9,39.45 60.15,41.2 52.9,41.2 52.35,41.75 52.35,45.35 52.9,45.9 60,45.9 65.1,40.8 65.1,24.15 66.75,22.5 66.75,17.75 71.45,13.05
VBAT# on TOP: 83.45,46.65 89.4,46.65 89.5,46.55 89.5,41.1 89.25,40.85 87,40.85 83.2,44.65 83.2,46.4
VBAT# on TOP: 40.6,48.55 61.15,48.55 62.2,47.5 64.9,47.5 66.3,46.1 67.45,46.1 67.55,46 67.55,45.45 67.65,45.35 68.25,45.35 68.4,45.2 68.4,44.9 68.25,44.75 65.65,44.75 65.1,45.3 65.1,45.5 64.95,45.65 63.8,45.65 63.65,45.5 59.3,45.5 58.25,44.45 52.1,44.45 50.15,42.5 40,42.5 39.05,43.45 39.05,47
VBAT# on POWER: 44.6,73.1 47.95,73.1 49.05,72 49.05,70.25 48.8,70 44.35,70 42.2,67.85 42.2,50.35 71.05,50.35 76.1,45.3 86.55,45.3 86.8,45.05 86.8,42.95 86.25,42.4 71.3,42.4 66.2,47.5 50.35,47.5 49.5,46.65 40.3,46.65 39.95,47 39.95,68.45
VCHARGER on TOP: 55.35,115.95 59.85,115.95 60.1,116.2 60.1,117.15 60.5,117.55 63.25,117.55 63.45,117.75 63.45,121.3 62.6,122.15 55.5,122.15 55.15,121.8 55.15,116.15
VCHARGER on TOP: 35.15,36.15 39.35,36.15 39.6,36.4 39.6,39.05 37.35,41.3 33.5,41.3 33.1,40.9 33.1,39.8 33.2,39.7 35.3,39.7 35.45,39.55 35.45,38.45 35.3,38.3 33.2,38.3 33.1,38.2 33.1,35.85 33.45,35.5 34.5,35.5
VCHARGER on TOP: 47.15,25.45 43.9,25.45 42.9,24.45 42.9,23.05 42.6,22.75 37.8,22.75 37.2,23.35 37.2,24.35 36.9,24.65 31.9,24.65 31.75,24.8 31.75,28.75 32.6,29.6 46.5,29.6 47.5,28.6 47.5,25.8
